# Altium PCB mdriver_power.PcbDoc (part 3 of 5)
Units mm, origin at the board's own origin, x right, y up, seen from the top; angles counter-clockwise.
Board outline 219 x 190 mm, 4 copper layers (Top Layer, Int1 (GND), Int2 (PWR), Bottom Layer), stack 1.369 mm thick; 308 components, 215 nets, 985 pads, 431 vias.
Unrouted connection lines stored in the file: 74.
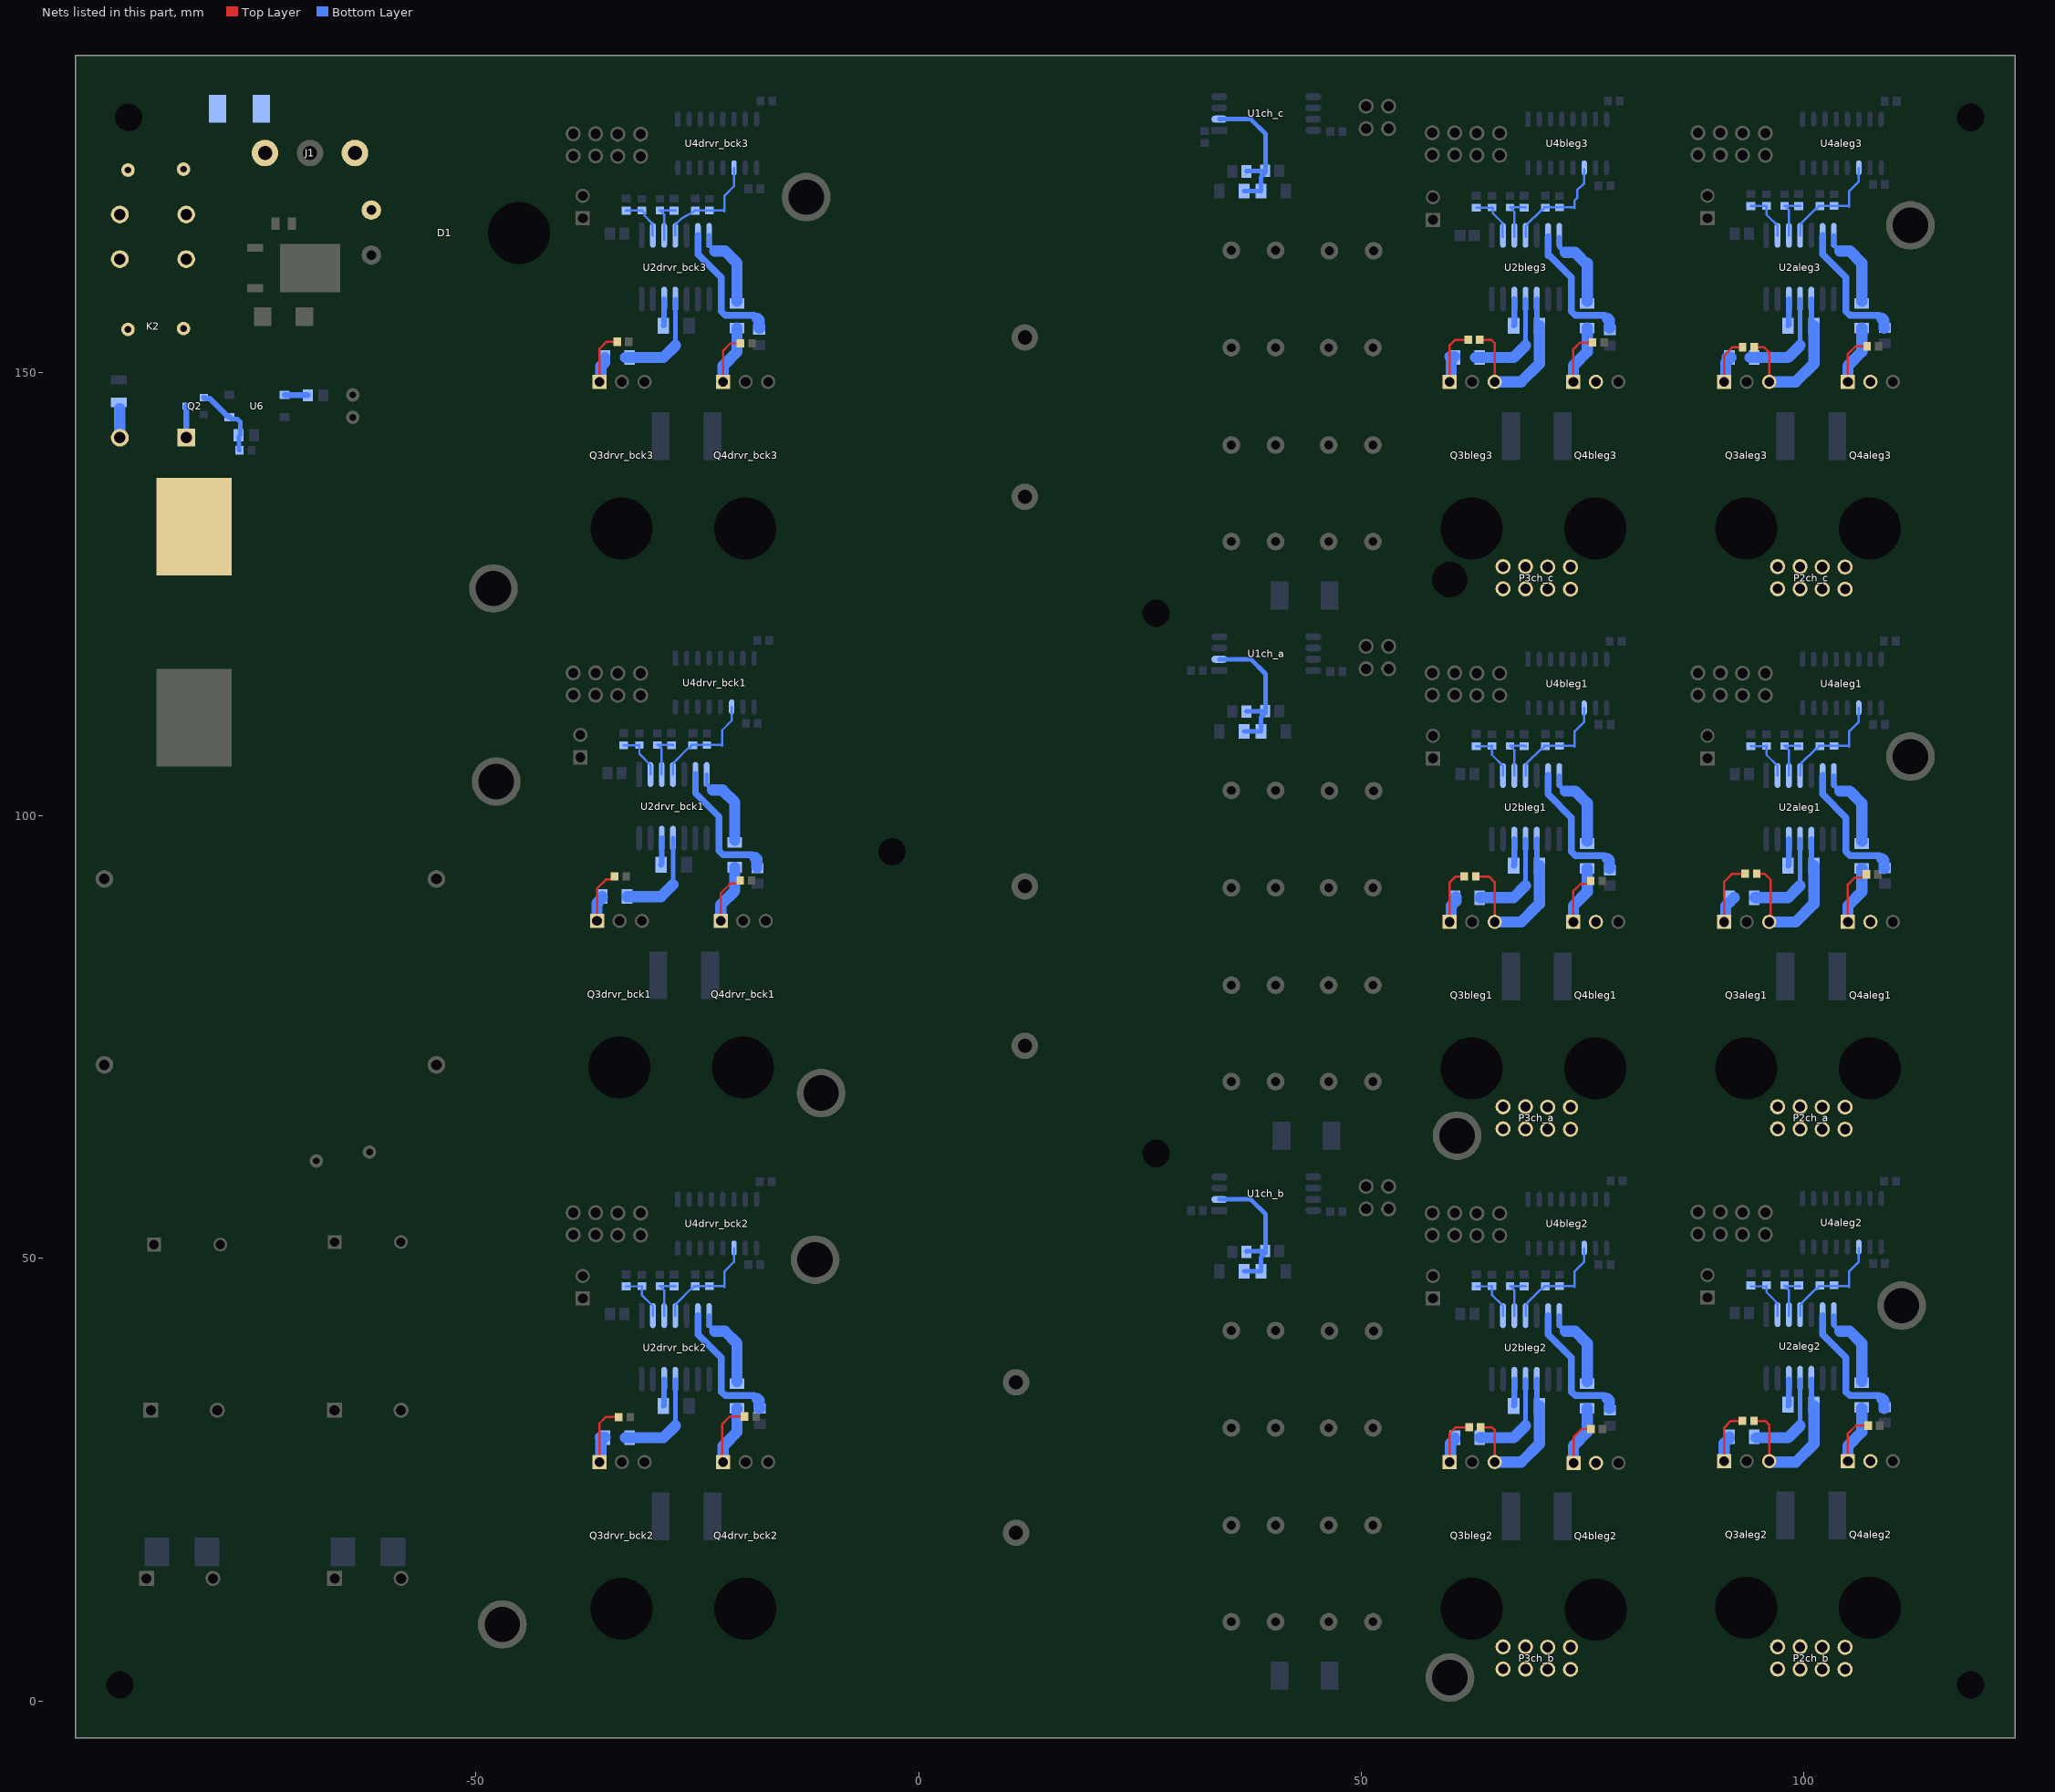
[diagram p5: the nets of this part, all layers, seen from the top]

## Via types
v1: diameter 1.27, hole 0.711, Top Layer to Bottom Layer, 247 vias
v2: diameter 0.8, hole 0.3, Top Layer to Bottom Layer, tented both sides, 160 vias
v3: diameter 0.8, hole 0.35, Top Layer to Bottom Layer, 8 vias
v4: diameter 5, hole 5, Top Layer to Bottom Layer, 6 vias
v5: diameter 3.4, hole 3.4, Top Layer to Bottom Layer, 4 vias
v6: diameter 3.2, hole 3.2, Top Layer to Bottom Layer, 4 vias
v7: diameter 1.8, hole 1.1, Top Layer to Bottom Layer, 2 vias

## Nets (pads, with @x,y where several pads share a name; then routed paths per layer and width w, separated by ;. In a path a pad name is that pad's centre, name@x,y a point inside that pad or via, vN(x,y) a via of type N, cw(c..) or ccw(c..) an arc to the next point about the centre after c; other vN are vias at no path point) (continued)
NetC9aleg1_1: C9aleg1.1 P2ch_a.1 P2ch_a.2 P2ch_a.3 P2ch_a.4 P2ch_a.5 P2ch_a.6 P2ch_a.7 P2ch_a.8 Q3aleg1.3 Q4aleg1.1 R17aleg1.2 U2aleg1.10 | length 20
  Top Layer w0.254: R17aleg1.2@94.639,93.429 95.539,93.429 96.224,92.743 96.224,88.16 Q3aleg1.3@96.05,87.986
  Bottom Layer w0.635: U2aleg1.10@100.81,97.334 100.81,94.618 C9aleg1.1@101.092,94.336
  Bottom Layer w1.27: Q3aleg1.3@96.05,87.986 99.047,87.986 101.092,90.031 C9aleg1.1@101.092,94.336
NetC9aleg1_2: C9aleg1.2 U2aleg1.12 | length 3
  Bottom Layer w0.635: C9aleg1.2@98.192,94.336 98.267,94.411 98.267,97.331 U2aleg1.12@98.27,97.334
NetC9aleg2_1: C9aleg2.1 P2ch_b.1 P2ch_b.2 P2ch_b.3 P2ch_b.4 P2ch_b.5 P2ch_b.6 P2ch_b.7 P2ch_b.8 Q3aleg2.3 Q4aleg2.1 R17aleg2.2 U2aleg2.10 | length 19.3
  Top Layer w0.254: R17aleg2.2@94.334,31.631 95.615,31.631 96.05,31.195 Q3aleg2.3@96.05,27.098
  Bottom Layer w0.635: U2aleg2.10@100.81,36.334 100.81,33.618 C9aleg2.1@101.092,33.336
  Bottom Layer w1.27: Q3aleg2.3@96.05,26.986 99.047,26.986 101.092,29.031 C9aleg2.1@101.092,33.336
NetC9aleg2_2: C9aleg2.2 U2aleg2.12 | length 3
  Bottom Layer w0.635: C9aleg2.2@98.192,33.336 98.267,33.411 98.267,36.331 U2aleg2.12@98.27,36.334
NetC9aleg3_1: C9aleg3.1 P2ch_c.1 P2ch_c.2 P2ch_c.3 P2ch_c.4 P2ch_c.5 P2ch_c.6 P2ch_c.7 P2ch_c.8 Q3aleg3.3 Q4aleg3.1 R17aleg3.2 U2aleg3.10 | length 18.6
  Top Layer w0.254: R17aleg3.2@94.36,152.89 95.462,152.89 96.05,152.303 Q3aleg3.3@96.05,148.986
  Bottom Layer w0.635: U2aleg3.10@100.81,158.334 100.81,155.618 C9aleg3.1@101.092,155.336
  Bottom Layer w1.27: Q3aleg3.3@96.05,148.986 99.047,148.986 101.092,151.031 C9aleg3.1@101.092,155.336
NetC9aleg3_2: C9aleg3.2 U2aleg3.12 | length 3
  Bottom Layer w0.635: C9aleg3.2@98.192,155.336 98.267,155.411 98.267,158.331 U2aleg3.12@98.27,158.334
NetC9bleg1_1: C9bleg1.1 P3ch_a.1 P3ch_a.2 P3ch_a.3 P3ch_a.4 P3ch_a.5 P3ch_a.6 P3ch_a.7 P3ch_a.8 Q3bleg1.3 Q4bleg1.1 R17bleg1.2 U2bleg1.10 | length 20.2
  Top Layer w0.254: R17bleg1.2@62.915,93.124 64.398,93.124 65.05,92.472 Q3bleg1.3@65.05,87.986
  Bottom Layer w0.635: U2bleg1.10@69.81,97.334 69.81,94.618 C9bleg1.1@70.092,94.336
  Bottom Layer w1.27: Q3bleg1.3@65.05,87.986 68.047,87.986 70.092,90.031 C9bleg1.1@70.092,94.336
NetC9bleg1_2: C9bleg1.2 U2bleg1.12 | length 3
  Bottom Layer w0.635: C9bleg1.2@67.192,94.336 67.267,94.411 67.267,97.331 U2bleg1.12@67.27,97.334
NetC9bleg2_1: C9bleg2.1 P3ch_b.1 P3ch_b.2 P3ch_b.3 P3ch_b.4 P3ch_b.5 P3ch_b.6 P3ch_b.7 P3ch_b.8 Q3bleg2.3 Q4bleg2.1 R17bleg2.2 U2bleg2.10 | length 18.6
  Top Layer w0.254: R17bleg2.2@63.473,30.919 64.754,30.919 65.05,30.623 Q3bleg2.3@65.05,26.984
  Bottom Layer w0.635: U2bleg2.10@69.81,36.334 69.81,33.618 C9bleg2.1@70.092,33.336
  Bottom Layer w1.27: Q3bleg2.3@65.05,26.986 68.047,26.986 70.092,29.031 C9bleg2.1@70.092,33.336
NetC9bleg2_2: C9bleg2.2 U2bleg2.12 | length 3
  Bottom Layer w0.635: C9bleg2.2@67.192,33.336 67.267,33.411 67.267,36.331 U2bleg2.12@67.27,36.334
NetC9bleg3_1: C9bleg3.1 P3ch_c.1 P3ch_c.2 P3ch_c.3 P3ch_c.4 P3ch_c.5 P3ch_c.6 P3ch_c.7 P3ch_c.8 Q3bleg3.3 Q4bleg3.1 R17bleg3.2 U2bleg3.10 | length 19.5
  Top Layer w0.254: R17bleg3.2@63.372,153.728 64.678,153.728 65.05,153.356 Q3bleg3.3@65.05,148.986
  Bottom Layer w0.635: U2bleg3.10@69.81,158.334 69.81,155.618 C9bleg3.1@70.092,155.336
  Bottom Layer w1.27: Q3bleg3.3@65.05,148.986 68.047,148.986 70.092,151.031 C9bleg3.1@70.092,155.336
NetC9bleg3_2: C9bleg3.2 U2bleg3.12 | length 3
  Bottom Layer w0.635: C9bleg3.2@67.192,155.336 67.267,155.411 67.267,158.331 U2bleg3.12@67.27,158.334
NetC9drvr_bck1_2: C9drvr_bck1.2 U2drvr_bck1.12 | length 3
  Bottom Layer w0.635: C9drvr_bck1.2@-29.081,94.448 -29.006,94.523 -29.006,97.443 U2drvr_bck1.12@-29.003,97.446
NetC9drvr_bck2_2: C9drvr_bck2.2 U2drvr_bck2.12 | length 3
  Bottom Layer w0.635: C9drvr_bck2.2@-28.808,33.336 -28.733,33.411 -28.733,36.331 U2drvr_bck2.12@-28.73,36.334
NetC9drvr_bck3_2: C9drvr_bck3.2 U2drvr_bck3.12 | length 3
  Bottom Layer w0.635: C9drvr_bck3.2@-28.808,155.336 -28.733,155.411 -28.733,158.331 U2drvr_bck3.12@-28.73,158.334
NetC20ch_a_2: C20ch_a.2 C26ch_a.2 R12ch_a.1 R13ch_a.2 U1ch_a.2 | length 16.8
  Bottom Layer w0.508: U1ch_a.2@33.969,117.654 37.525,117.654 39.188,115.991 C26ch_a.2@39.188,111.612 ; R12ch_a.1@36.766,109.526 R13ch_a.2@38.665,109.526 38.665,111.093 38.963,111.391 38.967,111.391 C26ch_a.2@39.188,111.612 ; C20ch_a.2@37.003,111.743 37.037,111.778 39.022,111.778 C26ch_a.2@39.188,111.612
NetC20ch_b_2: C20ch_b.2 C26ch_b.2 R12ch_b.1 R13ch_b.2 U1ch_b.2 | length 16.8
  Bottom Layer w0.508: U1ch_b.2@33.969,56.654 37.525,56.654 39.188,54.991 C26ch_b.2@39.188,50.612 ; R12ch_b.1@36.766,48.526 R13ch_b.2@38.665,48.526 38.665,50.093 38.963,50.391 38.967,50.391 C26ch_b.2@39.188,50.612 ; C20ch_b.2@37.003,50.743 37.037,50.778 39.022,50.778 C26ch_b.2@39.188,50.612
NetC20ch_c_2: C20ch_c.2 C26ch_c.2 R12ch_c.1 R13ch_c.2 U1ch_c.2 | length 16.8
  Bottom Layer w0.508: U1ch_c.2@33.969,178.654 37.525,178.654 39.188,176.991 C26ch_c.2@39.188,172.612 ; R12ch_c.1@36.766,170.526 R13ch_c.2@38.665,170.526 38.665,172.093 38.963,172.391 38.967,172.391 C26ch_c.2@39.188,172.612 ; C20ch_c.2@37.003,172.743 37.037,172.778 39.022,172.778 C26ch_c.2@39.188,172.612
NetC29_1: C29.1 Q2.1 R23.2 U6.3 | length 8.5
  Bottom Layer w0.508: U6.3@-77.8,144.972 -77.599,144.771 -76.888,144.771 -76.59,144.473 -76.59,142.967 -76.615,142.942 -76.733,142.824 -76.733,141.31 C29.1@-76.675,141.252
  Bottom Layer w0.635: Q2.1@-80.69,147.192 -80.608,147.109 -80.053,147.109 -78.053,145.109 -77.938,145.109 U6.3@-77.8,144.972
NetC36aleg1_2: C36aleg1.2 R6aleg1.2 U2aleg1.2 | length 5.6
  Bottom Layer w0.254: C36aleg1.2@93.974,107.835 95.727,107.835 R6aleg1.2@95.752,107.86 95.752,106.852 97,105.604 U2aleg1.2@97,104.524
NetC36aleg2_2: C36aleg2.2 R6aleg2.2 U2aleg2.2 | length 5.6
  Bottom Layer w0.254: C36aleg2.2@93.974,46.835 95.727,46.835 95.752,46.86 95.752,46.166 96.856,45.062 96.856,44.967 97,44.823 U2aleg2.2@97,43.524
NetC36aleg3_2: C36aleg3.2 R6aleg3.2 U2aleg3.2 | length 5.6
  Bottom Layer w0.254: C36aleg3.2@93.974,168.835 95.727,168.835 R6aleg3.2@95.752,168.86 95.752,167.852 97,166.604 U2aleg3.2@97,165.524
NetC36bleg1_2: C36bleg1.2 R6bleg1.2 U2bleg1.2 | length 5.6
  Bottom Layer w0.254: C36bleg1.2@62.974,107.835 64.727,107.835 R6bleg1.2@64.752,107.86 64.752,106.852 66,105.604 U2bleg1.2@66,104.524
NetC36bleg2_2: C36bleg2.2 R6bleg2.2 U2bleg2.2 | length 5.6
  Bottom Layer w0.254: C36bleg2.2@62.974,46.833 64.727,46.835 64.752,46.86 64.752,45.852 66,44.604 U2bleg2.2@66,43.524
NetC36bleg3_2: C36bleg3.2 R6bleg3.2 U2bleg3.2 | length 5.6
  Bottom Layer w0.254: C36bleg3.2@62.974,168.657 64.727,168.657 R6bleg3.2@64.752,168.682 64.849,168.585 64.849,168.025 65.924,166.95 65.924,165.422 U2bleg3.2@66,165.346
NetC36drvr_bck1_2: C36drvr_bck1.2 R6drvr_bck1.2 U2drvr_bck1.2 | length 5.6
  Bottom Layer w0.254: C36drvr_bck1.2@-33.299,107.947 -31.546,107.947 R6drvr_bck1.2@-31.521,107.972 -31.521,106.964 -30.273,105.716 U2drvr_bck1.2@-30.273,104.636
NetC36drvr_bck2_2: C36drvr_bck2.2 R6drvr_bck2.2 U2drvr_bck2.2 | length 5.6
  Bottom Layer w0.254: C36drvr_bck2.2@-33.026,46.835 -31.273,46.835 R6drvr_bck2.2@-31.248,46.86 -31.248,45.852 -30,44.604 U2drvr_bck2.2@-30,43.524
NetC36drvr_bck3_2: C36drvr_bck3.2 R6drvr_bck3.2 U2drvr_bck3.2 | length 5.1
  Bottom Layer w0.254: C36drvr_bck3.2@-33.026,168.327 -31.273,168.327 R6drvr_bck3.2@-31.248,168.352 -31.227,168.352 -30.929,168.054 -30.929,167.74 -30.076,166.887 -30.076,165.6 U2drvr_bck3.2@-30,165.524
NetC37aleg1_2: C37aleg1.2 R7aleg1.2 U2aleg1.3 | length 5.3
  Bottom Layer w0.254: R7aleg1.2@97.784,107.86 R7aleg1.2@97.834,107.86 ; U2aleg1.3@98.27,104.524 98.27,107.374 98.132,107.512 98.132,107.562 R7aleg1.2@97.834,107.86 ; C37aleg1.2@99.562,107.835 99.537,107.86 R7aleg1.2@97.834,107.86
NetC37aleg2_2: C37aleg2.2 R7aleg2.2 U2aleg2.3 | length 5.3
  Bottom Layer w0.254: R7aleg2.2@97.784,46.86 R7aleg2.2@97.834,46.86 ; U2aleg2.3@98.27,43.524 98.27,46.374 98.132,46.512 98.132,46.562 R7aleg2.2@97.834,46.86 ; C37aleg2.2@99.562,46.835 99.537,46.86 R7aleg2.2@97.834,46.86
NetC37aleg3_2: C37aleg3.2 R7aleg3.2 U2aleg3.3 | length 5.3
  Bottom Layer w0.254: R7aleg3.2@97.784,168.86 R7aleg3.2@97.834,168.86 ; U2aleg3.3@98.27,165.524 98.27,168.374 98.132,168.512 98.132,168.562 R7aleg3.2@97.834,168.86 ; C37aleg3.2@99.562,168.835 99.537,168.86 R7aleg3.2@97.834,168.86
NetC37bleg1_2: C37bleg1.2 R7bleg1.2 U2bleg1.3 | length 5.3
  Bottom Layer w0.254: R7bleg1.2@66.784,107.86 R7bleg1.2@66.834,107.86 ; U2bleg1.3@67.27,104.524 67.27,107.374 67.132,107.512 67.132,107.562 R7bleg1.2@66.834,107.86 ; C37bleg1.2@68.562,107.835 68.537,107.86 R7bleg1.2@66.834,107.86
NetC37bleg2_2: C37bleg2.2 R7bleg2.2 U2bleg2.3 | length 5.3
  Bottom Layer w0.254: R7bleg2.2@66.784,46.86 R7bleg2.2@66.834,46.86 ; U2bleg2.3@67.27,43.524 67.27,46.374 67.132,46.512 67.132,46.562 R7bleg2.2@66.834,46.86 ; C37bleg2.2@68.562,46.835 68.537,46.86 R7bleg2.2@66.834,46.86
NetC37bleg3_2: C37bleg3.2 R7bleg3.2 U2bleg3.3 | length 5.3
  Bottom Layer w0.254: R7bleg3.2@66.784,168.682 R7bleg3.2@66.834,168.682 ; U2bleg3.3@67.27,165.346 67.27,168.196 67.132,168.334 67.132,168.384 R7bleg3.2@66.834,168.682 ; C37bleg3.2@68.562,168.657 68.537,168.682 R7bleg3.2@66.834,168.682
NetC37drvr_bck1_2: C37drvr_bck1.2 R7drvr_bck1.2 U2drvr_bck1.3 | length 5.3
  Bottom Layer w0.254: R7drvr_bck1.2@-29.489,107.972 R7drvr_bck1.2@-29.439,107.972 ; U2drvr_bck1.3@-29.003,104.636 -29.003,107.486 -29.141,107.624 -29.141,107.674 R7drvr_bck1.2@-29.439,107.972 ; C37drvr_bck1.2@-27.711,107.947 -27.736,107.972 R7drvr_bck1.2@-29.439,107.972
NetC37drvr_bck2_2: C37drvr_bck2.2 R7drvr_bck2.2 U2drvr_bck2.3 | length 5.3
  Bottom Layer w0.254: R7drvr_bck2.2@-29.216,46.86 R7drvr_bck2.2@-29.166,46.86 ; U2drvr_bck2.3@-28.73,43.524 -28.73,46.374 -28.868,46.512 -28.868,46.562 R7drvr_bck2.2@-29.166,46.86 ; C37drvr_bck2.2@-27.438,46.835 -27.463,46.86 R7drvr_bck2.2@-29.166,46.86
NetC37drvr_bck3_2: C37drvr_bck3.2 R7drvr_bck3.2 U2drvr_bck3.3 | length 5.3
  Bottom Layer w0.254: R7drvr_bck3.2@-29.216,168.352 R7drvr_bck3.2@-29.166,168.352 ; U2drvr_bck3.3@-28.73,165.041 -28.73,167.891 ; -28.73,167.866 -28.868,168.004 -28.868,168.054 R7drvr_bck3.2@-29.166,168.352 ; C37drvr_bck3.2@-27.438,168.327 -27.463,168.352 R7drvr_bck3.2@-29.166,168.352
NetC38aleg1_2: C38aleg1.2 R10aleg1.1 U2aleg1.4 U4aleg1.11 | length 12.6
  Bottom Layer w0.254: U2aleg1.4@99.54,104.524 99.54,105.711 99.697,105.868 99.697,105.938 101.271,107.512 101.399,107.512 101.619,107.732 101.619,107.86 R10aleg1.1@103.372,107.86 104.996,107.86 105.093,107.763 105.093,109.526 106.166,110.599 U4aleg1.11@106.166,112.154
NetC38aleg2_2: C38aleg2.2 R10aleg2.1 U2aleg2.4 U4aleg2.11 | length 12.6
  Bottom Layer w0.254: U2aleg2.4@99.54,43.524 99.54,44.711 99.697,44.868 99.697,44.938 101.271,46.512 101.399,46.512 101.619,46.732 101.619,46.86 103.372,46.86 104.996,46.86 105.093,46.763 105.093,48.526 106.166,49.599 U4aleg2.11@106.166,51.154
NetC38aleg3_2: C38aleg3.2 R10aleg3.1 U2aleg3.4 U4aleg3.11 | length 12.6
  Bottom Layer w0.254: U2aleg3.4@99.54,165.524 99.54,166.711 99.697,166.868 99.697,166.938 101.271,168.512 101.399,168.512 101.619,168.732 101.619,168.86 R10aleg3.1@103.372,168.86 104.996,168.86 105.093,168.763 105.093,170.526 106.166,171.599 U4aleg3.11@106.166,173.154
NetC38bleg1_2: C38bleg1.2 R10bleg1.1 U2bleg1.4 U4bleg1.11 | length 12.6
  Bottom Layer w0.254: U2bleg1.4@68.54,104.524 68.54,105.711 68.697,105.868 68.697,105.938 70.271,107.512 70.399,107.512 70.619,107.732 70.619,107.86 R10bleg1.1@72.372,107.86 73.996,107.86 74.093,107.763 74.093,109.526 75.166,110.599 U4bleg1.11@75.166,112.154
NetC38bleg2_2: C38bleg2.2 R10bleg2.1 U2bleg2.4 U4bleg2.11 | length 12.6
  Bottom Layer w0.254: U2bleg2.4@68.54,43.524 68.54,44.711 68.697,44.868 68.697,44.938 70.271,46.512 70.399,46.512 70.619,46.732 70.619,46.86 72.372,46.86 73.996,46.86 74.093,46.763 74.093,48.526 75.166,49.599 U4bleg2.11@75.166,51.154
NetC38bleg3_2: C38bleg3.2 R10bleg3.1 U2bleg3.4 U4bleg3.11 | length 12.6
  Bottom Layer w0.254: U2bleg3.4@68.54,165.346 68.54,166.533 68.697,166.69 68.697,166.76 70.271,168.334 70.399,168.334 70.619,168.554 70.619,168.682 R10bleg3.1@72.372,168.682 73.996,168.682 74.093,168.585 74.093,168.682 74.093,169.474 74.373,169.754 74.373,170.628 75.166,171.421 U4bleg3.11@75.166,172.976
NetC38drvr_bck1_2: C38drvr_bck1.2 R10drvr_bck1.1 U2drvr_bck1.4 U4drvr_bck1.11 | length 12.6
  Bottom Layer w0.254: U2drvr_bck1.4@-27.733,104.636 -27.733,105.823 -27.576,105.98 -27.576,106.05 -26.002,107.624 -25.874,107.624 -25.654,107.844 -25.654,107.972 R10drvr_bck1.1@-23.901,107.972 -22.277,107.972 -22.18,107.875 -22.18,109.638 -21.107,110.711 U4drvr_bck1.11@-21.107,112.266
NetC38drvr_bck2_2: C38drvr_bck2.2 R10drvr_bck2.1 U2drvr_bck2.4 U4drvr_bck2.11 | length 12.6
  Bottom Layer w0.254: U2drvr_bck2.4@-27.46,43.524 -27.46,44.711 -27.303,44.868 -27.303,44.938 -25.729,46.512 -25.601,46.512 -25.381,46.732 -25.381,46.86 R10drvr_bck2.1@-23.628,46.86 -22.004,46.86 -21.907,46.763 -21.907,48.526 -20.834,49.599 U4drvr_bck2.11@-20.834,51.154
NetC38drvr_bck3_2: C38drvr_bck3.2 R10drvr_bck3.1 U2drvr_bck3.4 U4drvr_bck3.11 | length 13
  Bottom Layer w0.254: U2drvr_bck3.4@-27.46,165.524 -27.46,166.711 -27.303,166.868 -27.303,166.938 ; U2drvr_bck3.4@-27.46,166.739 -26.73,167.469 -25.381,168.224 -25.381,168.352 R10drvr_bck3.1@-23.628,168.352 -22.004,168.352 -21.907,168.255 -21.907,168.352 -21.907,170.018 -20.834,171.091 U4drvr_bck3.11@-20.834,173.154
NetD1_2: D1.2 J1.1
NetF1_1: F1.1 J1.3
NetF1_2: F1.2 K2.14 R1.1 R2.1
NetK2_11: K2.11 L2.1 R1.2 R2.2
NetK2_A1: K2.A1 Q2.3 | length 3.6
  Bottom Layer w0.635: K2.A1@-82.69,142.682 -82.69,144.142 Q2.3@-82.69,146.242
NetK2_A2: K2.A2 R20.2 | length 3.3
  Bottom Layer w1.27: K2.A2@-90.19,142.682 -90.19,145.942
NetQ3aleg1_2: Q3aleg1.2 R5aleg1.2 R17aleg1.1 | length 10.5
  Top Layer w0.254: Q3aleg1.2@90.97,87.986 90.97,92.543 91.856,93.429 R17aleg1.1@93.339,93.429
  Bottom Layer w1.27: Q3aleg1.2@90.97,87.986 91.135,88.151 91.135,89.802 91.559,90.226 91.579,90.226 R5aleg1.2@92.083,90.73
NetQ3aleg2_2: Q3aleg2.2 R5aleg2.2 R17aleg2.1 | length 9.1
  Top Layer w0.254: Q3aleg2.2@90.97,27.098 90.97,30.872 91.729,31.631 R17aleg2.1@93.034,31.631
  Bottom Layer w1.27: Q3aleg2.2@90.97,27.098 90.97,29.099 91.558,29.687 R5aleg2.2@91.558,29.842
NetQ3aleg3_2: Q3aleg3.2 R5aleg3.2 R17aleg3.1 | length 8.9
  Top Layer w0.254: Q3aleg3.2@90.97,148.986 90.97,151.954 91.906,152.89 R17aleg3.1@93.06,152.89
  Bottom Layer w1.27: Q3aleg3.2@90.97,148.986 91.135,149.151 91.135,151.128 R5aleg3.2@91.737,151.73 ; R5aleg3.2@91.303,151.76 R5aleg3.2@91.649,151.76
NetQ3bleg1_2: Q3bleg1.2 R5bleg1.2 R17bleg1.1 | length 9.5
  Top Layer w0.254: Q3bleg1.2@59.97,87.986 59.97,92.455 60.639,93.124 R17bleg1.1@61.615,93.124
  Bottom Layer w1.27: Q3bleg1.2@59.97,87.986 60.135,88.151 60.135,89.802 60.683,90.35 R5bleg1.2@60.683,90.806
NetQ3bleg2_2: Q3bleg2.2 R5bleg2.2 R17bleg2.1 | length 8.7
  Top Layer w0.254: Q3bleg2.2@59.97,26.984 59.97,30.225 60.664,30.919 R17bleg2.1@62.173,30.919
  Bottom Layer w1.27: Q3bleg2.2@59.97,26.984 60.074,27.088 60.074,29.089 60.558,29.573 R5bleg2.2@60.558,29.728
NetQ3bleg3_2: Q3bleg3.2 R5bleg3.2 R17bleg3.1 | length 10.3
  Top Layer w0.254: Q3bleg3.2@59.97,148.986 59.97,153.11 60.588,153.728 R17bleg3.1@62.072,153.728
  Bottom Layer w1.27: Q3bleg3.2@59.97,148.986 60.135,149.151 60.135,151.523 60.342,151.73 59.999,151.832 R5bleg3.2@60.524,151.832
NetQ3drvr_bck1_2: Q3drvr_bck1.2 R5drvr_bck1.2 R17drvr_bck1.1 | length 9.2
  Top Layer w0.254: Q3drvr_bck1.2@-36.303,88.098 -36.303,91.762 -35.289,92.776 -34.619,92.776 -34.321,93.074 R17drvr_bck1.1@-34.321,93.124
  Bottom Layer w1.27: Q3drvr_bck1.2@-36.303,88.098 -36.303,90.099 -35.715,90.687 R5drvr_bck1.2@-35.715,90.842
NetQ3drvr_bck2_2: Q3drvr_bck2.2 R5drvr_bck2.2 R17drvr_bck2.1 | length 10.7
  Top Layer w0.254: Q3drvr_bck2.2@-36.03,26.986 -36.03,31.355 -35.322,32.062 R17drvr_bck2.1@-33.864,32.062
  Bottom Layer w1.27: Q3drvr_bck2.2@-36.03,26.986 -35.865,27.151 -35.865,29.386 -35.521,29.73 -35.95,29.781 R5drvr_bck2.2@-35.425,29.781
NetQ3drvr_bck3_2: Q3drvr_bck3.2 R5drvr_bck3.2 R17drvr_bck3.1 | length 9.1
  Top Layer w0.254: Q3drvr_bck3.2@-36.03,148.986 -36.03,152.716 -35.229,153.516 R17drvr_bck3.1@-34.029,153.516
  Bottom Layer w1.27: Q3drvr_bck3.2@-36.03,148.986 -35.865,149.151 -35.865,149.853 -35.865,150.761 -35.442,151.184 R5drvr_bck3.2@-35.442,151.73
NetQ4aleg1_2: Q4aleg1.2 R8aleg1.2 R18aleg1.1 | length 13.5
  Top Layer w0.254: Q4aleg1.2@104.94,87.986 104.94,92.213 105.732,93.005 106.732,93.005 106.954,93.226 106.954,93.276 R18aleg1.1@107.03,93.353
  Bottom Layer w1.27: Q4aleg1.2@104.94,87.986 104.94,89.815 106.505,91.38 R8aleg1.2@106.505,94.044
NetQ4aleg2_2: Q4aleg2.2 R8aleg2.2 R18aleg2.1 | length 12.5
  Top Layer w0.254: Q4aleg2.2@104.94,27.098 104.94,30.186 105.851,31.097 R18aleg2.1@107.233,31.097
  Bottom Layer w1.27: Q4aleg2.2@104.94,26.986 Q4aleg2.2@104.94,27.098 104.94,28.815 106.505,30.38 R8aleg2.2@106.505,33.044
NetQ4aleg3_2: Q4aleg3.2 R8aleg3.2 R18aleg3.1 | length 12.4
  Top Layer w0.254: Q4aleg3.2@104.94,148.986 104.94,152.132 105.8,152.992 R18aleg3.1@107.106,152.992
  Bottom Layer w1.27: Q4aleg3.2@104.94,148.986 104.94,150.815 106.505,152.38 R8aleg3.2@106.505,155.044
NetQ4bleg1_2: Q4bleg1.2 R8bleg1.2 R18bleg1.1 | length 12.6
  Top Layer w0.254: Q4bleg1.2@73.94,87.986 73.94,91.464 74.744,92.268 75.591,92.268 75.762,92.439 75.762,92.489 R18bleg1.1@75.889,92.616
  Bottom Layer w1.27: Q4bleg1.2@73.94,87.986 73.94,89.815 75.505,91.38 R8bleg1.2@75.505,94.044
NetQ4bleg2_2: Q4bleg2.2 R8bleg2.2 R18bleg2.1 | length 11.9
  Top Layer w0.254: Q4bleg2.2@73.962,26.895 73.962,29.789 74.888,30.716 R18bleg2.1@75.915,30.716
  Bottom Layer w1.27: Q4bleg2.2@73.94,26.986 73.94,28.815 75.505,30.38 R8bleg2.2@75.505,33.042 R8bleg2.2@75.505,33.044
NetQ4bleg3_2: Q4bleg3.2 R8bleg3.2 R18bleg3.1 | length 12.9
  Top Layer w0.254: Q4bleg3.2@73.94,148.986 73.94,152.678 74.685,153.424 R18bleg3.1@76.108,153.424
  Bottom Layer w1.27: Q4bleg3.2@73.94,148.986 73.94,150.815 75.505,152.38 R8bleg3.2@75.505,155.044
NetQ4drvr_bck1_2: Q4drvr_bck1.2 R8drvr_bck1.2 R18drvr_bck1.1 | length 12.6
  Top Layer w0.254: Q4drvr_bck1.2@-22.333,88.098 -22.333,91.229 -21.243,92.319 -20.446,92.319 -20.148,92.617 R18drvr_bck1.1@-20.148,92.667
  Bottom Layer w1.27: Q4drvr_bck1.2@-22.333,88.098 -22.333,89.927 -20.768,91.492 R8drvr_bck1.2@-20.768,94.156
NetQ4drvr_bck2_2: Q4drvr_bck2.2 R8drvr_bck2.2 R18drvr_bck2.1 | length 13.9
  Top Layer w0.254: Q4drvr_bck2.2@-22.06,26.986 -22.19,27.116 -22.19,31.25 -21.301,32.139 R18drvr_bck2.1@-19.64,32.139
  Bottom Layer w1.27: Q4drvr_bck2.2@-22.06,26.986 -22.06,28.815 -20.495,30.38 R8drvr_bck2.2@-20.495,33.044
NetQ4drvr_bck3_2: Q4drvr_bck3.2 R8drvr_bck3.2 R18drvr_bck3.1 | length 12.5
  Top Layer w0.254: Q4drvr_bck3.2@-22.06,148.986 -22.06,152.513 -21.244,153.329 R18drvr_bck3.1@-20.103,153.329
  Bottom Layer w1.27: Q4drvr_bck3.2@-22.06,148.986 -22.06,150.815 -20.495,152.38 R8drvr_bck3.2@-20.495,155.044
NetR5aleg1_1: R5aleg1.1 U2aleg1.11 | length 10.9
  Bottom Layer w0.508: 99.54,92.088 U2aleg1.11@99.54,97.334
  Bottom Layer w1.27: R5aleg1.1@94.472,90.731 98.183,90.731 99.54,92.088
NetR5aleg2_1: R5aleg2.1 U2aleg2.11 | length 10.8
  Bottom Layer w0.508: 99.54,31.088 U2aleg2.11@99.54,36.334
  Bottom Layer w1.27: R5aleg2.1@94.573,29.731 98.183,29.731 99.54,31.088
NetR5aleg3_1: R5aleg3.1 U2aleg3.11 | length 11.5
  Bottom Layer w0.508: 99.54,153.088 U2aleg3.11@99.54,158.334
  Bottom Layer w1.27: R5aleg3.1@93.893,151.731 98.183,151.731 99.54,153.088
NetR5bleg1_1: R5bleg1.1 U2bleg1.11 | length 11
  Bottom Layer w0.508: 68.54,92.088 U2bleg1.11@68.54,97.334
  Bottom Layer w1.27: R5bleg1.1@63.382,90.731 67.183,90.731 68.54,92.088
NetR5bleg2_1: R5bleg2.1 U2bleg2.11 | length 10.9
  Bottom Layer w0.508: 68.54,31.088 U2bleg2.11@68.54,36.334
  Bottom Layer w1.27: R5bleg2.1@63.408,29.731 67.183,29.731 68.54,31.088
NetR5bleg3_1: R5bleg3.1 U2bleg3.11 | length 11.5
  Bottom Layer w0.508: 68.54,153.088 U2bleg3.11@68.54,158.334
  Bottom Layer w1.27: R5bleg3.1@62.893,151.731 67.183,151.731 68.54,153.088
NetR5drvr_bck1_1: R5drvr_bck1.1 U2drvr_bck1.11 | length 11
  Bottom Layer w0.508: -27.733,92.2 U2drvr_bck1.11@-27.733,97.446
  Bottom Layer w1.27: R5drvr_bck1.1@-32.915,90.842 -32.914,90.843 -29.09,90.843 -27.733,92.2
NetR5drvr_bck2_1: R5drvr_bck2.1 U2drvr_bck2.11 | length 11.5
  Bottom Layer w0.508: -27.46,31.088 U2drvr_bck2.11@-27.46,36.334
  Bottom Layer w1.27: R5drvr_bck2.1@-33.107,29.731 -28.817,29.731 -27.46,31.088
NetR5drvr_bck3_1: R5drvr_bck3.1 U2drvr_bck3.11 | length 11.5
  Bottom Layer w0.508: -27.46,153.088 U2drvr_bck3.11@-27.46,158.334
  Bottom Layer w1.27: R5drvr_bck3.1@-33.107,151.731 -28.817,151.731 -27.46,153.088
NetR8aleg1_1: R8aleg1.1 U2aleg1.7 | length 9.4
  Bottom Layer w0.508: U2aleg1.7@103.35,104.524 103.35,103.424 104.009,102.765
  Bottom Layer w1.27: 104.009,102.765 105.135,102.765 106.505,101.395 R8aleg1.1@106.505,97.09
NetR8aleg2_1: R8aleg2.1 U2aleg2.7 | length 9.4
  Bottom Layer w0.508: U2aleg2.7@103.35,43.524 103.35,42.424 104.009,41.765
  Bottom Layer w1.27: 104.009,41.765 105.135,41.765 106.505,40.395 R8aleg2.1@106.505,36.09
NetR8aleg3_1: R8aleg3.1 U2aleg3.7 | length 9.4
  Bottom Layer w0.508: U2aleg3.7@103.35,165.524 103.35,164.424 104.009,163.765
  Bottom Layer w1.27: 104.009,163.765 105.135,163.765 106.505,162.395 R8aleg3.1@106.505,158.09
NetR8bleg1_1: R8bleg1.1 U2bleg1.7 | length 9.4
  Bottom Layer w0.508: U2bleg1.7@72.35,104.524 72.35,103.424 73.009,102.765
  Bottom Layer w1.27: 73.009,102.765 74.135,102.765 75.505,101.395 R8bleg1.1@75.505,97.09
NetR8bleg2_1: R8bleg2.1 U2bleg2.7 | length 9.4
  Bottom Layer w0.508: U2bleg2.7@72.35,43.524 72.35,42.424 73.009,41.765
  Bottom Layer w1.27: 73.009,41.765 74.135,41.765 75.505,40.395 R8bleg2.1@75.505,36.09
NetR8bleg3_1: R8bleg3.1 U2bleg3.7 | length 9.4
  Bottom Layer w0.508: U2bleg3.7@72.35,165.346 72.35,164.246 73.009,163.587
  Bottom Layer w1.27: 73.009,163.587 74.135,163.587 75.505,162.217 ; R8bleg3.1@75.505,158.09 75.505,162.395
NetR8drvr_bck1_1: R8drvr_bck1.1 U2drvr_bck1.7 | length 9.4
  Bottom Layer w0.508: U2drvr_bck1.7@-23.923,104.636 -23.923,103.536 -23.264,102.877
  Bottom Layer w1.27: -23.264,102.877 -22.138,102.877 -20.768,101.507 R8drvr_bck1.1@-20.768,97.202
NetR8drvr_bck2_1: R8drvr_bck2.1 U2drvr_bck2.7 | length 9.4
  Bottom Layer w0.508: U2drvr_bck2.7@-23.65,43.524 -23.65,42.424 -22.991,41.765
  Bottom Layer w1.27: -22.991,41.765 -21.865,41.765 -20.495,40.395 R8drvr_bck2.1@-20.495,36.09
NetR8drvr_bck3_1: R8drvr_bck3.1 U2drvr_bck3.7 | length 9.4
  Bottom Layer w0.508: U2drvr_bck3.7@-23.65,165.524 -23.65,164.424 -22.991,163.765
  Bottom Layer w1.27: -22.991,163.765 -21.865,163.765 -20.495,162.395 R8drvr_bck3.1@-20.495,158.09
NetR11aleg1_1: R11aleg1.1 U2aleg1.6 | length 15.3
  Bottom Layer w0.762: U2aleg1.6@102.08,104.524 102.08,102.409 104.727,99.762 104.727,95.93 105.173,95.483 108.454,95.483 108.791,95.146
  Bottom Layer w1.27: 108.791,95.146 109.005,94.932 109.005,94.073 R11aleg1.1@109.045,94.033
NetR11aleg2_1: R11aleg2.1 U2aleg2.6 | length 15.3
  Bottom Layer w0.762: U2aleg2.6@102.08,43.524 102.08,41.409 104.727,38.762 104.727,34.93 105.173,34.483 108.454,34.483 108.791,34.146
  Bottom Layer w1.27: 108.791,34.146 109.005,33.932 109.005,33.073 R11aleg2.1@109.045,33.033
NetR11aleg3_1: R11aleg3.1 U2aleg3.6 | length 15.3
  Bottom Layer w0.762: U2aleg3.6@102.08,165.524 102.08,163.409 104.727,160.762 104.727,156.93 105.173,156.483 108.454,156.483 108.791,156.146
  Bottom Layer w1.27: 108.791,156.146 109.005,155.932 109.005,155.073 R11aleg3.1@109.045,155.033
NetR11bleg1_1: R11bleg1.1 U2bleg1.6 | length 15.3
  Bottom Layer w0.762: U2bleg1.6@71.08,104.524 71.08,102.409 73.727,99.762 73.727,95.93 74.173,95.483 77.454,95.483 77.791,95.146
  Bottom Layer w1.27: 77.791,95.146 78.005,94.932 78.005,94.073 R11bleg1.1@78.045,94.033
NetR11bleg2_1: R11bleg2.1 U2bleg2.6 | length 15.3
  Bottom Layer w0.762: U2bleg2.6@71.08,43.524 71.08,41.409 73.727,38.762 73.727,34.93 74.173,34.483 77.454,34.483 77.791,34.146
  Bottom Layer w1.27: 77.791,34.146 78.005,33.932 78.005,33.073 R11bleg2.1@78.045,33.033
NetR11bleg3_1: R11bleg3.1 U2bleg3.6 | length 15.3
  Bottom Layer w0.762: 71.08,163.231 U2bleg3.6@71.08,165.346 ; 71.08,163.409 73.727,160.762 73.727,156.93 74.173,156.483 77.454,156.483 77.791,156.146
  Bottom Layer w1.27: 77.791,156.146 78.005,155.932 78.005,155.073 R11bleg3.1@78.045,155.033
NetR11drvr_bck1_1: R11drvr_bck1.1 U2drvr_bck1.6 | length 15.3
  Bottom Layer w0.762: U2drvr_bck1.6@-25.193,104.636 -25.193,102.521 -22.546,99.874 -22.546,96.042 -22.1,95.595 -18.819,95.595 -18.482,95.258
  Bottom Layer w1.27: -18.482,95.258 -18.268,95.044 -18.268,94.185 R11drvr_bck1.1@-18.228,94.145
NetR11drvr_bck2_1: R11drvr_bck2.1 U2drvr_bck2.6 | length 15.3
  Bottom Layer w0.762: U2drvr_bck2.6@-24.92,43.524 -24.92,41.409 -22.273,38.762 -22.273,34.93 -21.827,34.483 -18.546,34.483 -18.209,34.146
  Bottom Layer w1.27: -18.209,34.146 -17.995,33.932 -17.995,33.073 R11drvr_bck2.1@-17.955,33.033
NetR11drvr_bck3_1: R11drvr_bck3.1 U2drvr_bck3.6 | length 15.3
  Bottom Layer w0.762: U2drvr_bck3.6@-24.92,165.524 -24.92,163.409 -22.273,160.762 -22.273,156.93 -21.827,156.483 -18.546,156.483 -18.209,156.146
  Bottom Layer w1.27: -18.209,156.146 -17.995,155.932 -17.995,155.073 R11drvr_bck3.1@-17.955,155.033
NetR22_2: R22.2 U6.1 | length 2.6
  Bottom Layer w0.635: U6.1@-71.58,147.512 -71.545,147.477 -69,147.477 R22.2@-68.965,147.442